# KiCad board Augio.kicad_pcb

Outline 319.09 x 76.2 mm; copper layers: Top, Bottom. Coordinates in mm from the lower left corner of the outline.
Outline path: 0,73.82 0,2.38 arc(0.7,0.7) 2.38,0 316.71,0 arc(318.39,0.7) 319.09,2.38 319.09,73.82 arc(318.39,75.5) 316.71,76.2 2.38,76.2 arc(0.7,75.5) 0,73.82

## Placement (name value [footprint] x y rotation side)
D1  D_Small  [Diode-dual]  20.64 66.68 270 bottom
D2  D_Small  [Diode-dual]  55.56 66.68 270 bottom
D3  D_Small  [Diode-dual]  101.6 66.68 270 bottom
D4  D_Small  [Diode-dual]  139.7 66.68 270 bottom
D5  D_Small  [Diode-dual]  177.8 66.68 270 bottom
D6  D_Small  [Diode-dual]  225.43 66.68 270 bottom
D7  D_Small  [Diode-dual]  263.52 66.68 270 bottom
D8  D_Small  [Diode-dual]  301.62 66.68 270 bottom
D9  D_Small  [Diode-dual]  17.46 66.68 270 bottom
D10  D_Small  [Diode-dual]  39.69 66.68 270 bottom
D11  D_Small  [Diode-dual]  82.55 66.68 270 bottom
D12  D_Small  [Diode-dual]  120.65 66.68 270 bottom
D13  D_Small  [Diode-dual]  158.75 66.68 270 bottom
D14  D_Small  [Diode-dual]  206.38 66.68 270 bottom
D15  D_Small  [Diode-dual]  244.48 66.68 270 bottom
D16  D_Small  [Diode-dual]  282.57 66.68 270 bottom
D17  D_Small  [Diode-dual]  20.64 47.63 270 bottom
D18  D_Small  [Diode-dual]  55.56 47.63 270 bottom
D19  D_Small  [Diode-dual]  101.6 47.63 270 bottom
D20  D_Small  [Diode-dual]  139.7 47.63 270 bottom
D21  D_Small  [Diode-dual]  177.8 47.63 270 bottom
D22  D_Small  [Diode-dual]  225.43 47.63 270 bottom
D23  D_Small  [Diode-dual]  263.52 47.63 270 bottom
D24  D_Small  [Diode-dual]  301.62 47.63 270 bottom
D25  D_Small  [Diode-dual]  17.46 47.63 270 bottom
D26  D_Small  [Diode-dual]  39.69 47.63 270 bottom
D27  D_Small  [Diode-dual]  82.55 47.63 270 bottom
D28  D_Small  [Diode-dual]  120.65 47.63 270 bottom
D29  D_Small  [Diode-dual]  158.75 47.63 270 bottom
D30  D_Small  [Diode-dual]  206.38 47.63 270 bottom
D31  D_Small  [Diode-dual]  244.48 47.63 270 bottom
D32  D_Small  [Diode-dual]  282.57 47.63 270 bottom
D33  D_Small  [Diode-dual]  20.64 28.58 270 bottom
D34  D_Small  [Diode-dual]  58.74 28.58 270 bottom
D35  D_Small  [Diode-dual]  101.6 28.58 270 bottom
D36  D_Small  [Diode-dual]  139.7 28.58 270 bottom
D37  D_Small  [Diode-dual]  177.8 28.58 270 bottom
D38  D_Small  [Diode-dual]  225.43 28.58 270 bottom
D39  D_Small  [Diode-dual]  263.52 28.58 270 bottom
D40  D_Small  [Diode-dual]  301.62 28.58 270 bottom
D41  D_Small  [Diode-dual]  17.46 28.58 270 bottom
D42  D_Small  [Diode-dual]  39.69 28.58 270 bottom
D43  D_Small  [Diode-dual]  82.55 28.58 270 bottom
D44  D_Small  [Diode-dual]  120.65 28.58 270 bottom
D45  D_Small  [Diode-dual]  158.75 28.58 270 bottom
D46  D_Small  [Diode-dual]  206.38 28.58 270 bottom
D47  D_Small  [Diode-dual]  244.48 28.58 270 bottom
D48  D_Small  [Diode-dual]  282.57 28.58 270 bottom
D49  D_Small  [Diode-dual]  20.64 9.53 270 bottom
D50  D_Small  [Diode-dual]  58.74 9.53 270 bottom
D51  D_Small  [Diode-dual]  101.6 9.53 270 bottom
D52  D_Small  [Diode-dual]  139.7 9.53 270 bottom
D53  D_Small  [Diode-dual]  223.04 9.53 270 bottom
D54  D_Small  [Diode-dual]  263.52 9.53 270 bottom
D55  D_Small  [Diode-dual]  301.62 9.53 270 bottom
D56  D_Small  [Diode-dual]  17.46 9.53 270 bottom
D57  D_Small  [Diode-dual]  39.69 9.53 270 bottom
D58  D_Small  [Diode-dual]  82.55 9.53 270 bottom
D59  D_Small  [Diode-dual]  120.65 9.53 270 bottom
D60  D_Small  [Diode-dual]  161.13 9.53 270 bottom
D61  D_Small  [Diode-dual]  208.76 9.53 270 bottom
D62  D_Small  [Diode-dual]  244.48 9.53 270 bottom
D63  D_Small  [Diode-dual]  282.57 9.53 270 bottom
G***  -  [LOGO]  200.03 47.63 90 top
G***#2  -  [LOGO]  200.03 47.63 90 bottom
LOGO  -  [augie10]  228.6 57.94 0 top
LOGO#2  -  [augie10]  303.21 58.74 180 bottom
REF**  -  [Augio_Drill_Holes_3.2mm_M3]  19.05 57.15 0 top
SW1  SWITCH_PUSH  [Hybrid_PCB_100H_Dual_hole]  9.53 66.68 0 top
SW2  SWITCH_PUSH  [Hybrid_PCB_100H_Dual_hole]  28.57 66.68 0 top
SW3  SWITCH_PUSH  [Hybrid_PCB_100H_Dual_hole]  47.62 66.68 0 top
SW4  SWITCH_PUSH  [Hybrid_PCB_100H_Dual_hole]  66.67 66.68 0 top
SW5  SWITCH_PUSH  [Hybrid_PCB_100H_Dual_hole]  90.49 66.68 0 top
SW6  SWITCH_PUSH  [Hybrid_PCB_100H_Dual_hole]  109.54 66.68 0 top
SW7  SWITCH_PUSH  [Hybrid_PCB_100H_Dual_hole]  128.59 66.68 0 top
SW8  SWITCH_PUSH  [Hybrid_PCB_100H_Dual_hole]  147.64 66.68 0 top
SW9  SWITCH_PUSH  [Hybrid_PCB_100H_Dual_hole]  166.69 66.68 0 top
SW10  SWITCH_PUSH  [Hybrid_PCB_100H_Dual_hole]  185.74 66.68 0 top
SW11  SWITCH_PUSH  [Hybrid_PCB_100H_Dual_hole]  214.31 66.68 0 top
SW12  SWITCH_PUSH  [Hybrid_PCB_100H_Dual_hole]  233.36 66.68 0 top
SW13  SWITCH_PUSH  [Hybrid_PCB_100H_Dual_hole]  252.41 66.68 0 top
SW14  SWITCH_PUSH  [Hybrid_PCB_100H_Dual_hole]  271.46 66.68 0 top
SW15  SWITCH_PUSH  [Hybrid_PCB_100H_Dual_hole]  290.51 66.68 0 top
SW16  SWITCH_PUSH  [Hybrid_PCB_100H_Dual_hole]  309.56 66.68 0 top
SW17  SWITCH_PUSH  [Hybrid_PCB_100H_Dual_hole]  9.53 47.63 0 top
SW18  SWITCH_PUSH  [Hybrid_PCB_100H_Dual_hole]  28.57 47.63 0 top
SW19  SWITCH_PUSH  [Hybrid_PCB_100H_Dual_hole]  47.62 47.63 0 top
SW20  SWITCH_PUSH  [Hybrid_PCB_100H_Dual_hole]  66.67 47.63 0 top
SW21  SWITCH_PUSH  [Hybrid_PCB_100H_Dual_hole]  90.49 47.63 0 top
SW22  SWITCH_PUSH  [Hybrid_PCB_100H_Dual_hole]  109.54 47.63 0 top
SW23  SWITCH_PUSH  [Hybrid_PCB_100H_Dual_hole]  128.59 47.63 0 top
SW24  SWITCH_PUSH  [Hybrid_PCB_100H_Dual_hole]  147.64 47.63 0 top
SW25  SWITCH_PUSH  [Hybrid_PCB_100H_Dual_hole]  166.69 47.63 0 top
SW26  SWITCH_PUSH  [Hybrid_PCB_100H_Dual_hole]  185.74 47.63 0 top
SW27  SWITCH_PUSH  [Hybrid_PCB_100H_Dual_hole]  214.31 47.63 0 top
SW28  SWITCH_PUSH  [Hybrid_PCB_100H_Dual_hole]  233.36 47.63 0 top
SW29  SWITCH_PUSH  [Hybrid_PCB_100H_Dual_hole]  252.41 47.63 0 top
SW30  SWITCH_PUSH  [Hybrid_PCB_100H_Dual_hole]  271.46 47.63 0 top
SW31  SWITCH_PUSH  [Hybrid_PCB_100H_Dual_hole]  290.51 47.63 0 top
SW32  SWITCH_PUSH  [Hybrid_PCB_100H_Dual_hole]  309.56 47.63 0 top
SW33  SWITCH_PUSH  [Hybrid_PCB_100H_Dual_hole]  9.53 28.58 0 top
SW34  SWITCH_PUSH  [Hybrid_PCB_100H_Dual_hole]  28.57 28.58 0 top
SW35  SWITCH_PUSH  [Hybrid_PCB_100H_Dual_hole]  47.62 28.58 0 top
SW36  SWITCH_PUSH  [Hybrid_PCB_100H_Dual_hole]  66.67 28.58 0 top
SW37  SWITCH_PUSH  [Hybrid_PCB_100H_Dual_hole]  90.49 28.58 0 top
SW38  SWITCH_PUSH  [Hybrid_PCB_100H_Dual_hole]  109.54 28.58 0 top
SW39  SWITCH_PUSH  [Hybrid_PCB_100H_Dual_hole]  128.59 28.58 0 top
SW40  SWITCH_PUSH  [Hybrid_PCB_100H_Dual_hole]  147.64 28.58 0 top
SW41  SWITCH_PUSH  [Hybrid_PCB_100H_Dual_hole]  166.69 28.58 0 top
SW42  SWITCH_PUSH  [Hybrid_PCB_100H_Dual_hole]  185.74 28.58 0 top
SW43  SWITCH_PUSH  [Hybrid_PCB_100H_Dual_hole]  214.31 28.58 0 top
SW44  SWITCH_PUSH  [Hybrid_PCB_100H_Dual_hole]  233.36 28.58 0 top
SW45  SWITCH_PUSH  [Hybrid_PCB_100H_Dual_hole]  252.41 28.58 0 top
SW46  SWITCH_PUSH  [Hybrid_PCB_100H_Dual_hole]  271.46 28.58 0 top
SW47  SWITCH_PUSH  [Hybrid_PCB_100H_Dual_hole]  290.51 28.58 0 top
SW48  SWITCH_PUSH  [Hybrid_PCB_100H_Dual_hole]  309.56 28.58 0 top
SW49  SWITCH_PUSH  [Hybrid_PCB_100H_Dual_hole]  9.53 9.53 0 top
SW50  SWITCH_PUSH  [Hybrid_PCB_100H_Dual_hole]  28.57 9.53 0 top
SW51  SWITCH_PUSH  [Hybrid_PCB_100H_Dual_hole]  47.62 9.53 0 top
SW52  SWITCH_PUSH  [Hybrid_PCB_100H_Dual_hole]  66.67 9.53 0 top
SW53  SWITCH_PUSH  [Hybrid_PCB_100H_Dual_hole]  90.49 9.53 0 top
SW54  SWITCH_PUSH  [Hybrid_PCB_100H_Dual_hole]  109.54 9.53 0 top
SW55  SWITCH_PUSH  [Hybrid_PCB_100H_Dual_hole]  128.59 9.53 0 top
SW56  SWITCH_PUSH  [Hybrid_PCB_100H_Dual_hole]  147.64 9.53 0 top
SW57  SWITCH_PUSH  [Hybrid_PCB_100H_Dual_hole]  169.07 9.53 0 top
SW58  SWITCH_PUSH  [Hybrid_PCB_200H-dual]  200.03 9.53 180 top
SW59  SWITCH_PUSH  [Hybrid_PCB_100H_Dual_hole]  230.98 9.53 0 top
SW60  SWITCH_PUSH  [Hybrid_PCB_100H_Dual_hole]  252.41 9.53 0 top
SW61  SWITCH_PUSH  [Hybrid_PCB_100H_Dual_hole]  271.46 9.53 0 top
SW62  SWITCH_PUSH  [Hybrid_PCB_100H_Dual_hole]  290.51 9.53 0 top
SW63  SWITCH_PUSH  [Hybrid_PCB_100H_Dual_hole]  309.56 9.53 0 top
U1  -  [ARDUINO_PRO_MICRO]  66.67 60.33 270 top

## Footprints (pads in the part's own frame, mm; a bottom-side part is the same pattern mirrored in y, then rotated)
ARDUINO_PRO_MICRO
  rect 1.753x1.753 hole 1.092: 1(-13.97,-7.62)
  round 1.753 hole 1.092: 2(-11.43,-7.62) 3(-8.89,-7.62) 4(-6.35,-7.62) 5(-3.81,-7.62) 6(-1.27,-7.62) 7(1.27,-7.62) 8(3.81,-7.62) 9(6.35,-7.62) 10(8.89,-7.62) 11(11.43,-7.62) 12(13.97,-7.62) 13(13.97,7.62) 14(11.43,7.62) 15(8.89,7.62) 16(6.35,7.62) 17(3.81,7.62) 18(1.27,7.62) 19(-1.27,7.62) 20(-3.81,7.62) 21(-6.35,7.62) 22(-8.89,7.62) 23(-11.43,7.62) 24(-13.97,7.62)
Augio_Drill_Holes_3.2mm_M3
  round 3.2 hole 3.2 unplated: (0,0) (0,-38.1) (76.2,0) (76.2,-38.1) (204.787,0) (204.787,-38.1) (280.988,0) (280.988,-38.1)
Diode-dual
  rect 1.6x1.2 smd far side: 1(1.4,0) 2(-1.4,0)
  rect 1.6x1.2 smd: 1(1.4,0) 2(-1.4,0)
  rect 2.9x0.5 smd far side: 1(2.5,0) 2(-2.5,0)
  rect 2.9x0.5 smd: 1(2.5,0) 2(-2.5,0)
  rect 1.6x1.6 hole 1: 1(3.9,0)
  round 1.6 hole 1: 2(-3.9,0)
Hybrid_PCB_100H_Dual_hole
  round 1.8 hole 1.8 unplated: (-5.08,0) (5.08,0)
  round 3.988 hole 3.988 unplated: (0,0)
  round 2 hole 1.5: 1(-3.81,2.54) 1(-2.54,5.08) 1(-2.5,4.5) 1(-2.5,4) 2(2.5,4.5) 2(2.5,4) 2(2.54,5.08) 2(3.81,2.54)
  oval 2.5x4.462 smd rot 138.1: 1(-3.155,3.27)
  oval 2.5x4.462 smd far side rot 138.1: 1(-3.155,3.27)
  oval 2.5x3.081 smd rot 3.9: 1(-2.52,4.79)
  oval 2.5x3.081 smd far side rot 3.9: 1(-2.52,4.79)
  oval 2.5x3.081 smd rot 176.1: 2(2.52,4.79)
  oval 2.5x3.081 smd far side rot 176.1: 2(2.52,4.79)
  oval 2.5x4.462 smd rot 41.9: 2(3.155,3.27)
  oval 2.5x4.462 smd far side rot 41.9: 2(3.155,3.27)
Hybrid_PCB_200H-dual
  round 3.048 hole 3.048 unplated: (-11.938,6.985) (11.938,6.985)
  round 3.988 hole 3.988 unplated: (-11.938,-8.255) (0,0) (11.938,-8.255)
  round 1.8 hole 1.8 unplated: (-5.08,0) (5.08,0)
  oval 2.5x4.17 hole 1.5x3.17 rot 150.9: 1(-3.405,3.27)
  oval 2.5x3.08 hole 1.5x2.08 rot 3.9: 1(-2.52,4.79)
  oval 2.5x3.08 hole 1.5x2.08 rot 176.1: 2(2.52,4.79)
  oval 2.5x4.17 hole 1.5x3.17 rot 29.1: 2(3.405,3.27)

## Nets
GND: U1.3 U1.4 U1.23
VCC: U1.21
COL0: SW1.2 SW2.2 SW17.2 SW18.2 SW33.2 SW34.2 SW49.2 SW50.2 U1.12
COL1: SW3.2 SW4.2 SW19.2 SW20.2 SW35.2 SW36.2 SW51.2 SW52.2 U1.11
COL2: SW5.2 SW6.2 SW21.2 SW22.2 SW37.2 SW38.2 SW53.2 SW54.2 U1.10
COL3: SW7.2 SW8.2 SW23.2 SW24.2 SW39.2 SW40.2 SW55.2 SW56.2 U1.9
COL4: SW9.2 SW10.2 SW25.2 SW26.2 SW41.2 SW42.2 SW57.2 U1.8
COL5: SW11.2 SW12.2 SW27.2 SW28.2 SW43.2 SW44.2 SW58.2 SW59.2 U1.7
COL6: SW13.2 SW14.2 SW29.2 SW30.2 SW45.2 SW46.2 SW60.2 SW61.2 U1.6
COL7: SW15.2 SW16.2 SW31.2 SW32.2 SW47.2 SW48.2 SW62.2 SW63.2 U1.5
ROW0: D1.1 D2.1 D3.1 D4.1 D5.1 D6.1 D7.1 D8.1 U1.20
ROW1: D9.1 D10.1 D11.1 D12.1 D13.1 D14.1 D15.1 D16.1 U1.19
ROW2: D17.1 D18.1 D19.1 D20.1 D21.1 D22.1 D23.1 D24.1 U1.18
ROW3: D25.1 D26.1 D27.1 D28.1 D29.1 D30.1 D31.1 D32.1 U1.17
ROW4: D33.1 D34.1 D35.1 D36.1 D37.1 D38.1 D39.1 D40.1 U1.16
ROW5: D41.1 D42.1 D43.1 D44.1 D45.1 D46.1 D47.1 D48.1 U1.15
ROW6: D49.1 D50.1 D51.1 D52.1 D53.1 D54.1 D55.1 U1.14
ROW7: D56.1 D57.1 D58.1 D59.1 D60.1 D61.1 D62.1 D63.1 U1.13
Net-(D1-Pad2): D1.2 SW2.1
Net-(D2-Pad2): D2.2 SW4.1
Net-(D3-Pad2): D3.2 SW6.1
Net-(D4-Pad2): D4.2 SW8.1
Net-(D5-Pad2): D5.2 SW10.1
Net-(D6-Pad2): D6.2 SW12.1
Net-(D7-Pad2): D7.2 SW14.1
Net-(D8-Pad2): D8.2 SW16.1
Net-(D9-Pad2): D9.2 SW1.1
Net-(D10-Pad2): D10.2 SW3.1
Net-(D11-Pad2): D11.2 SW5.1
Net-(D12-Pad2): D12.2 SW7.1
Net-(D13-Pad2): D13.2 SW9.1
Net-(D14-Pad2): D14.2 SW11.1
Net-(D15-Pad2): D15.2 SW13.1
Net-(D16-Pad2): D16.2 SW15.1
Net-(D17-Pad2): D17.2 SW18.1
Net-(D18-Pad2): D18.2 SW20.1
Net-(D19-Pad2): D19.2 SW22.1
Net-(D20-Pad2): D20.2 SW24.1
Net-(D21-Pad2): D21.2 SW26.1
Net-(D22-Pad2): D22.2 SW28.1
Net-(D23-Pad2): D23.2 SW30.1
Net-(D24-Pad2): D24.2 SW32.1
Net-(D25-Pad2): D25.2 SW17.1
Net-(D26-Pad2): D26.2 SW19.1
Net-(D27-Pad2): D27.2 SW21.1
Net-(D28-Pad2): D28.2 SW23.1
Net-(D29-Pad2): D29.2 SW25.1
Net-(D30-Pad2): D30.2 SW27.1
Net-(D31-Pad2): D31.2 SW29.1
Net-(D32-Pad2): D32.2 SW31.1
Net-(D33-Pad2): D33.2 SW34.1
Net-(D34-Pad2): D34.2 SW36.1
Net-(D35-Pad2): D35.2 SW38.1
Net-(D36-Pad2): D36.2 SW40.1
Net-(D37-Pad2): D37.2 SW42.1
Net-(D38-Pad2): D38.2 SW44.1
Net-(D39-Pad2): D39.2 SW46.1
Net-(D40-Pad2): D40.2 SW48.1
Net-(D41-Pad2): D41.2 SW33.1
Net-(D42-Pad2): D42.2 SW35.1
Net-(D43-Pad2): D43.2 SW37.1
Net-(D44-Pad2): D44.2 SW39.1
Net-(D45-Pad2): D45.2 SW41.1
Net-(D46-Pad2): D46.2 SW43.1
Net-(D47-Pad2): D47.2 SW45.1
Net-(D48-Pad2): D48.2 SW47.1
Net-(D49-Pad2): D49.2 SW50.1
Net-(D50-Pad2): D50.2 SW52.1
Net-(D51-Pad2): D51.2 SW54.1
Net-(D52-Pad2): D52.2 SW56.1
Net-(D53-Pad2): D53.2 SW59.1
Net-(D54-Pad2): D54.2 SW61.1
Net-(D55-Pad2): D55.2 SW63.1
Net-(D56-Pad2): D56.2 SW49.1
Net-(D57-Pad2): D57.2 SW51.1
Net-(D58-Pad2): D58.2 SW53.1
Net-(D59-Pad2): D59.2 SW55.1
Net-(D60-Pad2): D60.2 SW57.1
Net-(D61-Pad2): D61.2 SW58.1
Net-(D62-Pad2): D62.2 SW60.1
Net-(D63-Pad2): D63.2 SW62.1
Net-(U1-Pad1): U1.1
Net-(U1-Pad2): U1.2
Net-(U1-Pad22): U1.22
Net-(U1-Pad24): U1.24

## Via types
v1: diameter 0.8, hole 0.4, Top to Bottom, 90 vias

## Routing (per net, layer and track width the routed paths; a pad name or vN(x,y) marks a point on that pad's centre or on a via; arc(x,y) is an arc through that point)
COL0: length 168.4
  Top w0.254: v1(58.74,38.1) 59.06,38.42 U1.12 ; SW17.2 12.68,53.32 SW1.2 ; SW50.2 31.09,32.56 SW34.2 v1(31.08,37.98) 31.08,52.4 SW18.2 ; SW2.2 31.12,70.64 SW18.2 ; SW17.2 12.68,33.23 SW33.2 ; SW49.2 12.68,14.95 SW33.2
  Bottom w0.254: v1(58.74,38.1) 31.19,38.1 v1(31.08,37.98) ; SW50.2 29.05,16.67 22.23,16.67 20.97,15.41 13.14,15.41 SW49.2 ; 13.02,15.02 SW49.2
COL1: length 144
  Top w0.254: SW19.2 SW35.2 50.78,14.95 SW51.2 ; SW20.2 69.22,50.28 v1(69.22,45.09) SW36.2 SW52.2 ; SW20.2 69.2,69.31 SW4.2 ; SW3.2 50.78,50.82 SW19.2
  Bottom w0.254: SW51.2 52.23,16.67 67.15,16.67 SW52.2 ; U1.11 60.26,47.69 60.26,47.15 62.32,45.09 v1(69.22,45.09)
COL2: length 186.9
  Top w0.254: v1(60.33,38.1) 60.33,50.17 U1.10 ; SW38.2 112.08,52.09 SW22.2 ; SW5.2 93.3,68.22 93.3,63.14 90.49,60.33 90.49,54.94 SW21.2 ; 93.64,52.28 SW21.2 ; SW22.2 112.08,71.45 SW6.2 ; SW54.2 112.06,33.06 SW38.2 ; SW21.2 v1(93.64,38.08) SW37.2 93.64,24.59 90.49,21.43 90.49,16.53 SW53.2 ; 93.64,12.72 SW53.2
  Bottom w0.254: SW54.2 108.74,16.67 95.36,16.67 SW53.2 ; v1(60.33,38.1) 93.62,38.1 v1(93.64,38.08)
COL3: length 208.7
  Top w0.254: SW23.2 132.4,51.55 v1(132.4,54.93) SW7.2 ; SW56.2 150.79,31.92 SW40.2 ; SW24.2 150.16,69.31 SW8.2 ; SW39.2 SW55.2 ; SW23.2 SW39.2 ; SW40.2 SW24.2
  Bottom w0.254: v1(132.4,54.93) 132.15,55.18 60.26,55.18 U1.9 ; SW56.2 147.8,16.67 133.73,16.67 SW55.2
COL4: length 249.7
  Top w0.254: SW9.2 169.19,51.48 SW25.2 v1(170.5,38.74) SW41.2 ; U1.8 57.85,55.31 57.85,41.21 57.94,41.12 v1(57.94,38.89) ; SW26.2 SW10.2 ; SW41.2 169.84,15.1 SW57.2 ; SW42.2 188.26,50.26 SW26.2
  Bottom w0.254: SW41.2 171.56,35.72 186.21,35.72 SW42.2 ; v1(170.5,38.74) 170.34,38.89 v1(57.94,38.89)
COL5: length 348.6
  Top w0.254: SW44.2 235.86,16.95 SW59.2 ; v1(57.15,39.69) 57.15,57.15 U1.7 ; SW28.2 237.17,50.24 SW44.2 ; SW11.2 217.47,50.82 SW27.2 v1(218.12,39.53) 218.12,32.5 SW43.2 217.47,20.66 v1(217.49,20.64) ; SW12.2 235.88,70.66 SW28.2 ; SW58.2 196.85,5.39 v1(196.85,20.64)
  Bottom w0.254: 217.81,34.07 SW43.2 ; v1(217.49,20.64) v1(196.85,20.64) ; SW44.2 234.81,34.44 234.64,34.44 232.57,36.51 219.71,36.51 SW43.2 ; v1(57.15,39.69) 217.96,39.69 v1(218.12,39.53)
COL6: length 353.5
  Top w0.254: SW13.2 v1(256.22,61.28) SW29.2 ; SW61.2 273.96,31.19 SW46.2 ; SW29.2 SW45.2 255.57,12.72 SW60.2 ; SW30.2 v1(273.96,58.06) SW14.2 ; SW46.2 275.27,50.24 SW30.2
  Bottom w0.254: SW60.2 257.56,16.67 271.63,16.67 SW61.2 ; v1(256.22,58.08) 256.24,58.06 v1(273.96,58.06) ; U1.6 60.26,62.8 74.87,62.8 76.39,61.28 v1(256.22,61.28)
COL7: length 396.2
  Top w0.254: SW16.2 313.37,69.37 v1(313.37,60.48) SW32.2 ; 312.08,33.37 312.72,32.73 SW63.2 ; SW15.2 v1(293.05,60.48) 293.05,58.9 ; SW47.2 294.32,32.5 SW31.2 293.05,51.44 293.05,58.9 ; v1(77.79,58.74) 80.96,61.91 v1(80.96,72.23) ; v1(60.44,59.57) 60.44,62.75 U1.5 ; SW48.2 313.37,51.13 312.08,52.42 ; 293.05,58.9 293.05,58.8 ; SW47.2 294.32,13.45 SW62.2
  Bottom w0.254: SW15.2 289.88,74.61 83.34,74.61 v1(80.96,72.23) ; v1(77.79,58.74) 76.9,57.85 62.16,57.85 v1(60.44,59.57) ; v1(293.05,60.48) v1(313.37,60.48)
ROW0: length 311.4
  Top w0.254: D1.1 v1(20.64,59.53) ; v1(301.62,59.53) D8.1 ; v1(263.52,59.53) D7.1 ; U1.20 76.2,62.23 v1(76.2,59.53) ; v1(225.43,59.53) D6.1 ; v1(177.8,59.53) D5.1 ; v1(55.56,59.53) D2.1 ; v1(139.7,59.53) D4.1 ; v1(101.6,59.53) D3.1
  Bottom w0.254: D2.1 56.07,64.18 57.23,65.34 64.58,65.34 65.78,64.14 U1.20 ; v1(20.64,59.53) v1(55.56,59.53) ; v1(301.62,59.53) v1(263.52,59.53) v1(225.43,59.53) v1(177.8,59.53) v1(139.7,59.53) v1(101.6,59.53) v1(76.2,59.53)
ROW1: length 287.2
  Top w0.254: v1(282.57,60.33) D16.1 ; D13.1 v1(158.75,60.33) ; v1(17.46,60.33) D9.1 ; v1(244.48,60.33) D15.1 ; v1(120.65,60.33) D12.1 ; v1(39.69,60.33) D10.1 ; v1(82.55,60.33) D11.1 ; v1(206.38,60.33) D14.1
  Bottom w0.254: v1(17.46,60.33) v1(39.69,60.33) 73.03,60.33 U1.19 75.56,60.33 v1(82.55,60.33) v1(120.65,60.33) v1(158.75,60.33) v1(206.38,60.33) v1(244.48,60.33) v1(282.57,60.33)
ROW2: length 327.3
  Top w0.254: v1(55.56,40.48) D18.1 ; v1(263.52,40.48) D23.1 ; v1(139.7,40.48) D20.1 ; v1(225.43,40.48) D22.1 ; U1.18 78.58,54.77 v1(78.58,40.48) ; D24.1 v1(301.62,40.48) ; v1(101.6,40.48) D19.1 ; D17.1 v1(20.64,40.48) ; v1(177.8,40.48) D21.1
  Bottom w0.254: v1(20.64,40.48) v1(55.56,40.48) v1(101.6,40.48) v1(139.7,40.48) v1(177.8,40.48) v1(225.43,40.48) v1(263.52,40.48) v1(301.62,40.48)
ROW3: length 301.4
  Top w0.254: v1(244.48,41.28) D31.1 ; v1(158.75,41.28) D29.1 ; v1(120.65,41.28) D28.1 ; v1(77.79,41.28) 77.79,53.02 U1.17 ; v1(206.38,41.28) D30.1 ; v1(82.55,41.28) D27.1 ; D25.1 v1(17.46,41.28) ; v1(39.69,41.28) D26.1 ; v1(282.57,41.28) D32.1
  Bottom w0.254: v1(282.57,41.28) v1(244.48,41.28) v1(206.38,41.28) v1(158.75,41.28) v1(120.65,41.28) v1(82.55,41.28) v1(39.69,41.28) v1(17.46,41.28)
ROW4: length 340.6
  Top w0.254: v1(139.7,21.43) D36.1 ; v1(301.62,21.43) D40.1 ; U1.16 76.99,51.28 v1(76.99,21.43) ; v1(225.43,21.43) D38.1 ; v1(177.8,21.43) D37.1 ; v1(263.52,21.43) D39.1 ; v1(101.6,21.43) D35.1 ; v1(58.74,21.43) D34.1 ; D33.1 v1(20.64,21.43)
  Bottom w0.254: v1(20.64,21.43) v1(58.74,21.43) v1(76.99,21.43) v1(101.6,21.43) v1(139.7,21.43) v1(177.8,21.43) v1(225.43,21.43) v1(263.52,21.43) v1(301.62,21.43)
ROW5: length 314.7
  Top w0.254: v1(282.57,22.23) D48.1 ; v1(244.48,22.23) D47.1 ; v1(76.23,22.23) 76.23,49.5 U1.15 ; v1(82.55,22.23) D43.1 ; v1(39.69,22.23) D42.1 ; v1(206.38,22.23) D46.1 ; v1(158.75,22.23) D45.1 ; v1(120.65,22.23) D44.1 ; D41.1 v1(17.46,22.23)
  Bottom w0.254: v1(17.46,22.23) v1(39.69,22.23) v1(82.55,22.23) v1(120.65,22.23) v1(158.75,22.23) v1(206.38,22.23) v1(244.48,22.23) v1(282.57,22.23)
ROW6: length 352.1
  Top w0.254: U1.14 75.5,47.69 75.5,2.47 v1(75.41,2.38) ; v1(58.74,2.38) D50.1 ; v1(223.04,2.38) D53.1 ; D55.1 v1(301.62,2.38) ; v1(263.52,2.38) D54.1 ; D49.1 v1(20.64,2.38) ; D51.1 v1(101.6,2.38) ; v1(139.7,2.38) D52.1
  Bottom w0.254: v1(20.64,2.38) v1(58.74,2.38) v1(75.41,2.38) v1(101.6,2.38) v1(139.7,2.38) 185.51,2.38 187.2,0.69 212.85,0.69 214.54,2.38 v1(223.04,2.38) v1(263.52,2.38) v1(301.62,2.38)
ROW7: length 330.9
  Top w0.254: v1(244.48,3.18) D62.1 ; D56.1 v1(17.46,3.18) ; D63.1 v1(282.57,3.18) ; v1(39.69,3.18) D57.1 ; U1.13 74.3,3.49 v1(74.61,3.18) ; v1(82.55,3.18) D58.1 ; D60.1 v1(161.13,3.18) ; v1(120.65,3.18) D59.1
  Bottom w0.254: v1(17.46,3.18) v1(39.69,3.18) v1(82.55,3.18) v1(120.65,3.18) v1(161.13,3.18) 185.74,3.18 186.95,4.39 189.28,4.39 192.53,1.14 205.33,1.14 208.76,4.57 D61.1 211.62,5.62 214.07,3.18 v1(244.48,3.18) v1(282.57,3.18)
Net-(D1-Pad2): length 5
  Bottom w0.254: D1.2 24.79,70.58 SW2.1
Net-(D2-Pad2): length 8.7
  Bottom w0.254: SW4.1 62.76,70.68 62.64,70.55 58.48,70.55 58.45,70.58 D2.2
Net-(D3-Pad2): length 5.5
  Bottom w0.254: D3.2 106.94,70.58 SW6.1
Net-(D4-Pad2): length 5.5
  Bottom w0.254: D4.2 145.04,70.58 SW8.1
Net-(D5-Pad2): length 5.8
  Bottom w0.254: SW10.1 182.91,71.47 182.02,70.58 D5.2
Net-(D6-Pad2): length 5.8
  Bottom w0.254: D6.2 229.95,70.58 SW12.1
Net-(D7-Pad2): length 5.5
  Bottom w0.254: D7.2 268.86,70.58 SW14.1
Net-(D8-Pad2): length 5
  Bottom w0.254: D8.2 305.78,70.58 SW16.1
Net-(D9-Pad2): length 12.7
  Bottom w0.254: SW1.1 9.05,73.82 14.22,73.82 D9.2
Net-(D10-Pad2): length 5.1
  Bottom w0.254: D10.2 43.91,70.58 44.47,70.01 SW3.1
Net-(D11-Pad2): length 5.5
  Bottom w0.254: SW5.1 86.87,70.68 86.77,70.58 D11.2
Net-(D12-Pad2): length 5.7
  Bottom w0.254: D12.2 125.49,70.58 SW7.1
Net-(D13-Pad2): length 7
  Bottom w0.254: D13.2 164.09,70.58 SW9.1 ; 162.97,70.58 163.86,71.47 SW9.1
Net-(D14-Pad2): length 5
  Bottom w0.254: SW11.1 210.53,70.58 D14.2
Net-(D15-Pad2): length 5
  Bottom w0.254: D15.2 248.63,70.58 SW13.1
Net-(D16-Pad2): length 5.8
  Bottom w0.254: D16.2 287.1,70.58 SW15.1
Net-(D17-Pad2): length 5
  Bottom w0.254: SW18.1 24.79,51.53 D17.2
Net-(D18-Pad2): length 9.5
  Bottom w0.254: SW20.1 63.16,52.64 56.68,52.64 D18.2
Net-(D19-Pad2): length 5.5
  Bottom w0.254: SW22.1 106.94,51.53 D19.2
Net-(D20-Pad2): length 5.8
  Bottom w0.254: SW24.1 144.81,52.42 143.92,51.53 D20.2
Net-(D21-Pad2): length 5.5
  Bottom w0.254: D21.2 183.14,51.53 SW26.1
Net-(D22-Pad2): length 5.8
  Bottom w0.254: SW28.1 229.95,51.53 D22.2
Net-(D23-Pad2): length 5.7
  Bottom w0.254: D23.2 268.36,51.53 SW30.1
Net-(D24-Pad2): length 5
  Bottom w0.254: SW32.1 305.78,51.53 D24.2
Net-(D25-Pad2): length 14.1
  Bottom w0.254: D25.2 16.66,52.32 16.66,52.39 14.29,54.77 9.05,54.77 SW17.1 ; 8.02,52.62 SW17.1
Net-(D26-Pad2): length 5.5
  Bottom w0.254: SW19.1 45.03,51.53 D26.2
Net-(D27-Pad2): length 5.7
  Bottom w0.254: D27.2 87.39,51.53 SW21.1
Net-(D28-Pad2): length 5.5
  Bottom w0.254: SW23.1 125.99,51.53 D28.2
Net-(D29-Pad2): length 5.8
  Bottom w0.254: SW25.1 163.28,51.53 D29.2
Net-(D30-Pad2): length 5.5
  Bottom w0.254: D30.2 211.71,51.53 SW27.1
Net-(D31-Pad2): length 5.7
  Bottom w0.254: D31.2 249.31,51.53 SW29.1
Net-(D32-Pad2): length 5
  Bottom w0.254: D32.2 286.73,51.53 SW31.1
Net-(D33-Pad2): length 5.7
  Bottom w0.254: D33.2 25.48,32.48 SW34.1
Net-(D34-Pad2): length 5
  Bottom w0.254: SW36.1 62.89,32.48 D34.2
Net-(D35-Pad2): length 5
  Bottom w0.254: SW38.1 105.75,32.48 D35.2
Net-(D36-Pad2): length 5.5
  Bottom w0.254: D36.2 143.92,32.48 144.02,32.58 SW40.1
Net-(D37-Pad2): length 5.7
  Bottom w0.254: D37.2 182.64,32.48 SW42.1
Net-(D38-Pad2): length 5.5
  Bottom w0.254: D38.2 230.76,32.48 SW44.1
Net-(D39-Pad2): length 5
  Bottom w0.254: SW46.1 267.68,32.48 D39.2
Net-(D40-Pad2): length 5
  Bottom w0.254: SW48.1 305.78,32.48 D40.2
Net-(D41-Pad2): length 15.2
  Bottom w0.254: 8.01,33.49 SW33.1 ; D41.2 14.22,35.72 9.67,35.72 SW33.1
Net-(D42-Pad2): length 5
  Bottom w0.254: SW35.1 43.84,32.48 D42.2
Net-(D43-Pad2): length 5
  Bottom w0.254: SW37.1 86.7,32.48 D43.2
Net-(D44-Pad2): length 5.8
  Bottom w0.254: D44.2 125.18,32.48 SW39.1
Net-(D45-Pad2): length 5.5
  Bottom w0.254: SW41.1 164.09,32.48 D45.2
Net-(D46-Pad2): length 5.8
  Bottom w0.254: D46.2 210.9,32.48 SW43.1
Net-(D47-Pad2): length 5.8
  Bottom w0.254: D47.2 249,32.48 SW45.1
Net-(D48-Pad2): length 5
  Bottom w0.254: SW47.1 286.73,32.48 D48.2
Net-(D49-Pad2): length 5.7
  Bottom w0.254: SW50.1 25.48,13.43 D49.2
Net-(D50-Pad2): length 5.5
  Bottom w0.254: SW52.1 64.08,13.43 D50.2
Net-(D51-Pad2): length 5.5
  Bottom w0.254: D51.2 106.94,13.43 SW54.1
Net-(D52-Pad2): length 5.8
  Bottom w0.254: D52.2 144.23,13.43 SW56.1
Net-(D53-Pad2): length 5
  Bottom w0.254: D53.2 227.2,13.43 SW59.1
Net-(D54-Pad2): length 5.8
  Bottom w0.254: 268.94,14.31 268.05,13.43 D54.2
Net-(D55-Pad2): length 5.7
  Bottom w0.254: D55.2 306.46,13.43 SW63.1
Net-(D56-Pad2): length 14.9
  Top w0.254: D56.2 v1(17.46,16.91)
  Bottom w0.254: SW49.1 9.29,16.91 v1(17.46,16.91)
Net-(D57-Pad2): length 5
  Bottom w0.254: SW51.1 43.84,13.43 D57.2
Net-(D58-Pad2): length 5.8
  Bottom w0.254: D58.2 87.08,13.43 SW53.1
Net-(D59-Pad2): length 5
  Bottom w0.254: D59.2 124.8,13.43 SW55.1
Net-(D60-Pad2): length 5.8
  Bottom w0.254: D60.2 165.66,13.43 SW57.1
Net-(D61-Pad2): length 10.3
  Bottom w0.254: SW58.1 203.43,9.67 207.19,13.43 D61.2
Net-(D62-Pad2): length 5
  Bottom w0.254: SW60.1 248.63,13.43 D62.2
Net-(D63-Pad2): length 5.7
  Bottom w0.254: D63.2 287.41,13.43 SW62.1

## Copper pours and planes (outline as drawn; the poured copper is in the pictures)
GND on Top: 318.29,75.41 318.29,0.79 0.79,0.79 0.79,75.41
GND on Bottom: 318.29,75.41 318.29,0.79 0.79,0.79 0.79,75.41
